# Altium PCB PCB1.PcbDoc (part 1 of 2) (continued)
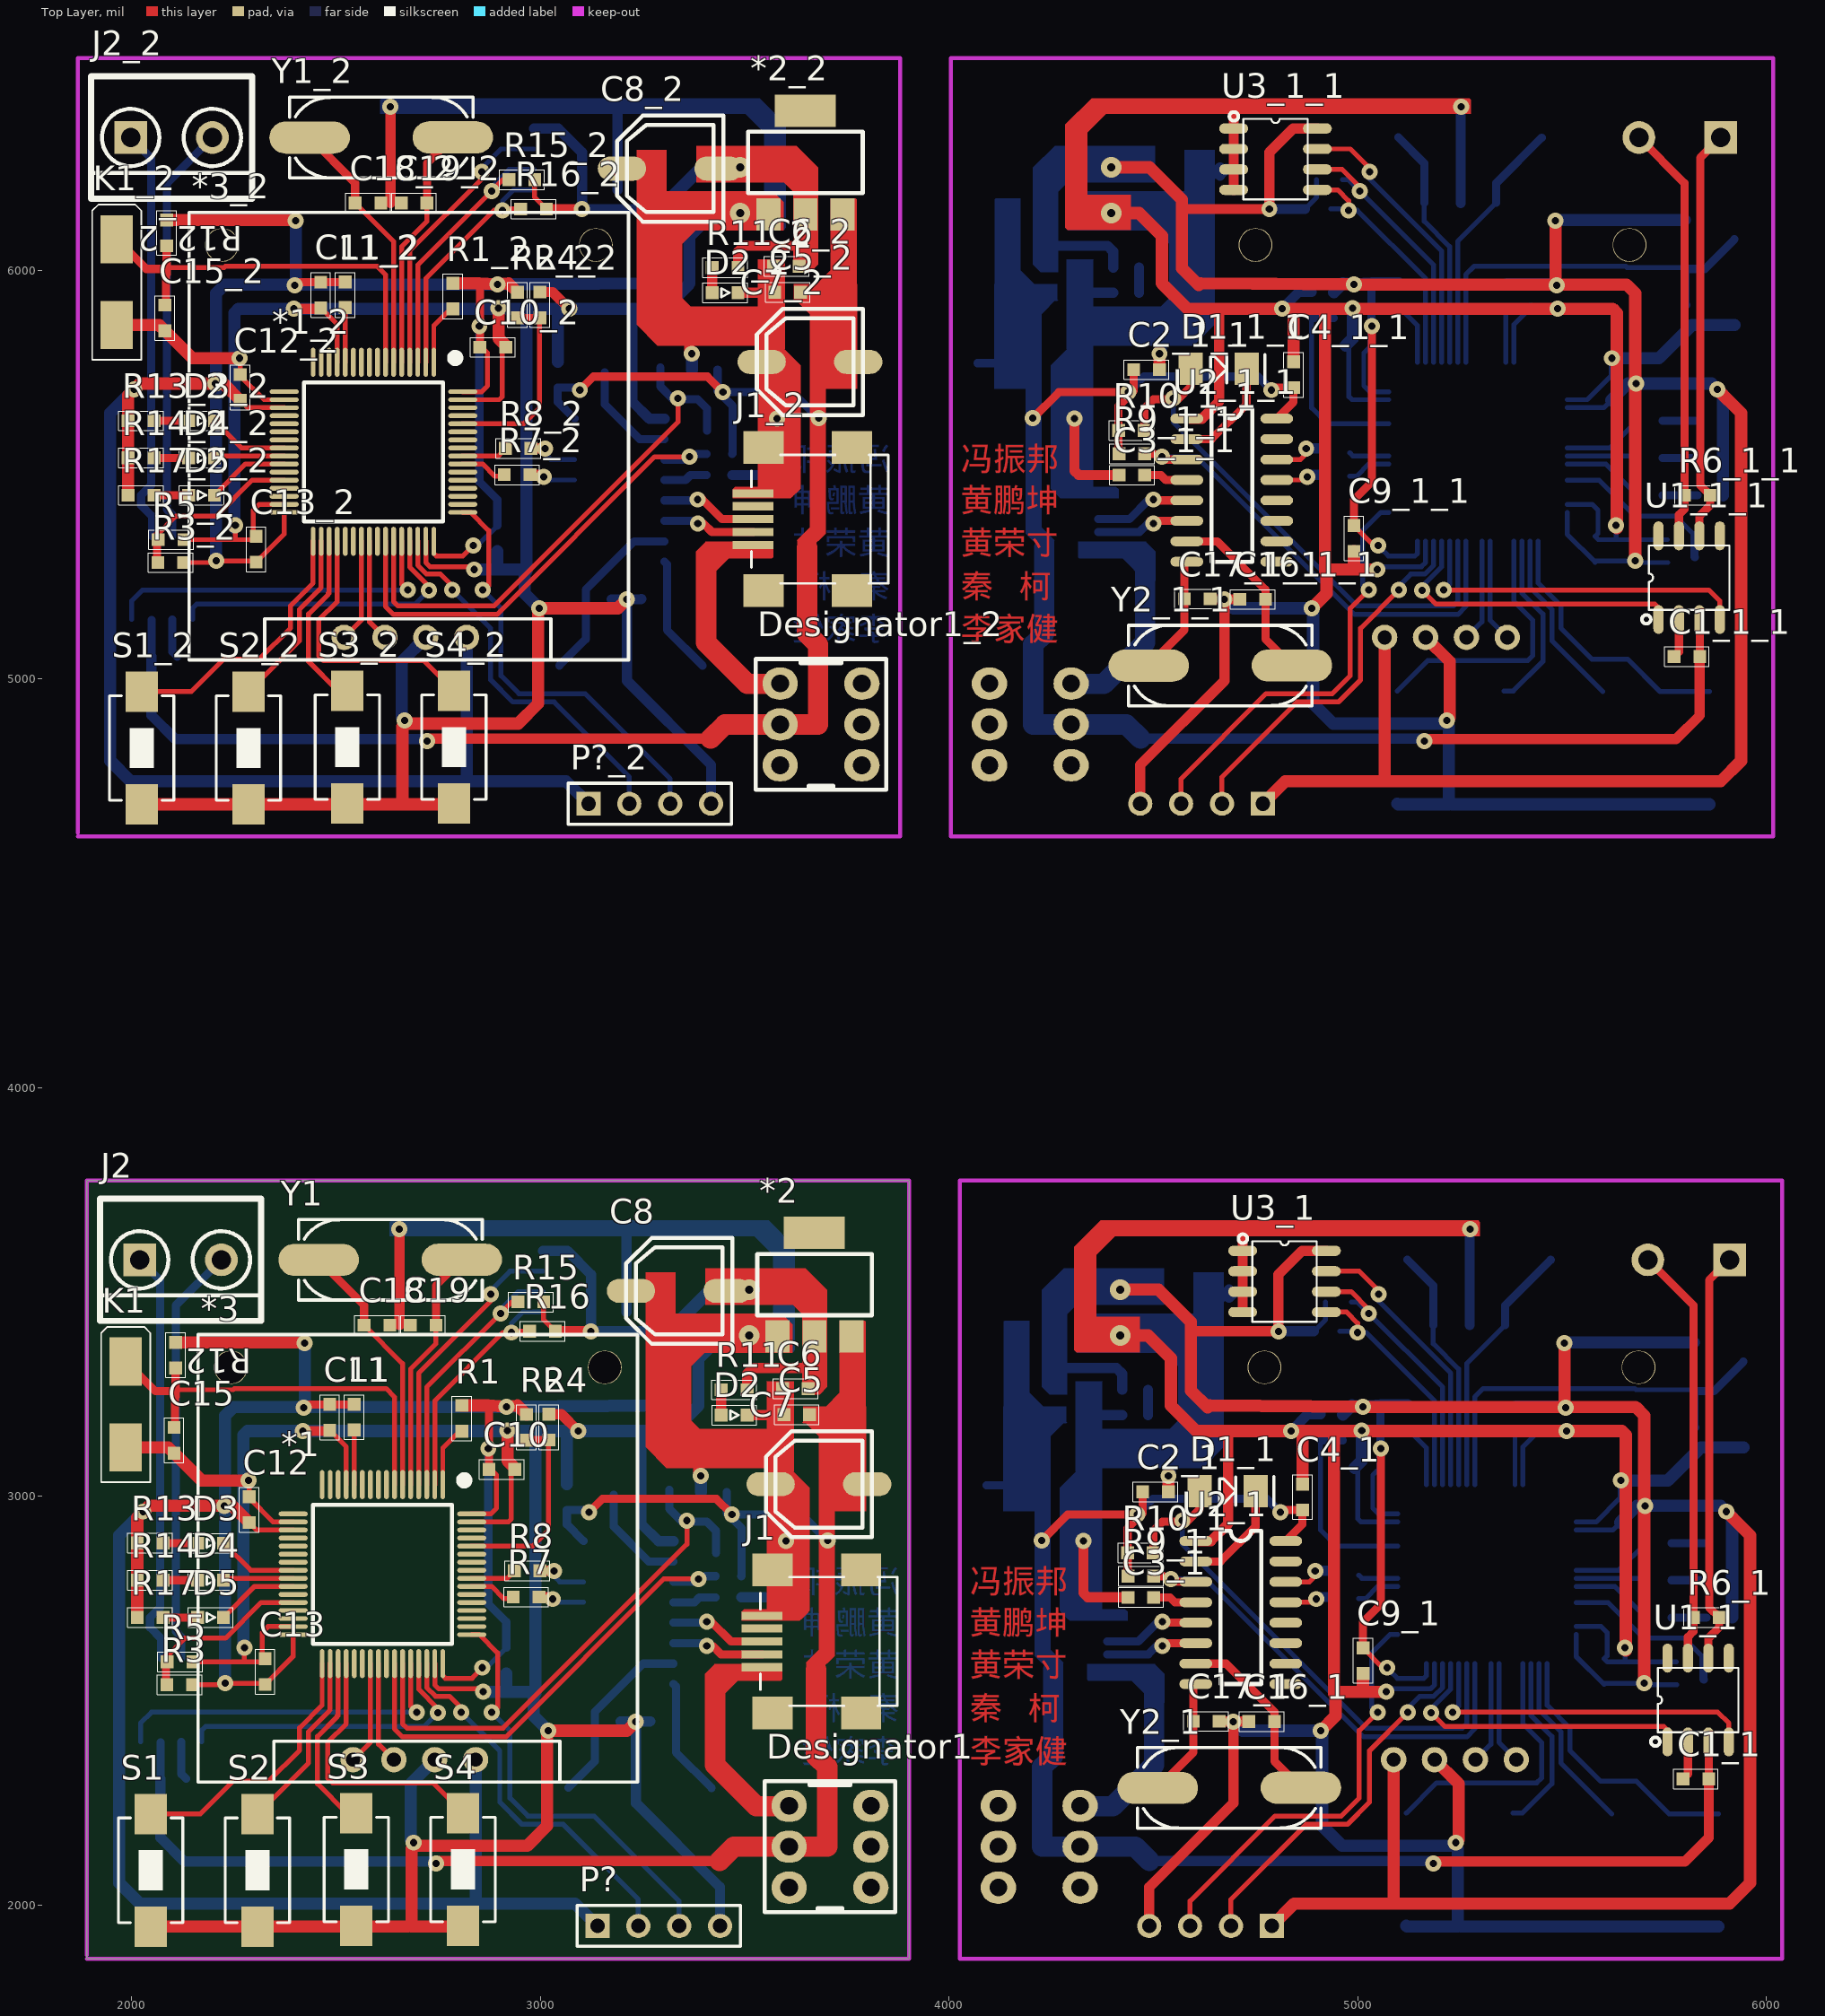
[diagram p0: Top Layer view]
## Components (designator, comment, footprint, x,y, rotation, side; value= is the part's Value field where it differs from the comment) (continued)
P?_2 "Header 4" HDR4X1-2.54 3118,4695 r0 top (schematic designator P?)
R1 "10k" R_0603 2808,3191 r270 top
R1_1 "10k" R_0603 5122,3191 r270 bottom (schematic designator R1)
R1_1_1 "10k" R_0603 5100,5937 r270 bottom (schematic designator R1)
R1_2 "10k" R_0603 2786,5937 r270 top (schematic designator R1)
R2 "RES" R_0603 2966.2,3169 r90 top
R2_1 "RES" R_0603 4963.8,3169 r90 bottom (schematic designator R2)
R2_1_1 "RES" R_0603 4941.8,5915 r90 bottom (schematic designator R2)
R2_2 "RES" R_0603 2944.2,5915 r90 top (schematic designator R2)
R3 "RES" R_0603 2118,2539 r0 top
R3_1 "RES" R_0603 5812,2539 r180 bottom (schematic designator R3)
R3_1_1 "RES" R_0603 5790,5285 r180 bottom (schematic designator R3)
R3_2 "RES" R_0603 2096,5285 r0 top (schematic designator R3)
R4 "RES" R_0603 3021,3169.5 r270 top
R4_1 "RES" R_0603 4909,3169.5 r270 bottom (schematic designator R4)
R4_1_1 "RES" R_0603 4887,5915.5 r270 bottom (schematic designator R4)
R4_2 "RES" R_0603 2999,5915.5 r270 top (schematic designator R4)
R5 "RES" R_0603 2119,2595 r180 top
R5_1 "RES" R_0603 5811,2595 r0 bottom (schematic designator R5)
R5_1_1 "RES" R_0603 5789,5341 r0 bottom (schematic designator R5)
R5_2 "RES" R_0603 2097,5341 r180 top (schematic designator R5)
R6 "120R" R_0603 2076.99,2703.7 r0 bottom
R6_1 "120R" R_0603 5853.01,2703.7 r180 top (schematic designator R6)
R6_1_1 "120R" R_0603 5831.01,5449.7 r180 top (schematic designator R6)
R6_2 "120R" R_0603 2054.99,5449.7 r0 bottom (schematic designator R6)
R7 "10k" R_0603 2965.5,2754 r0 top
R7_1 "10k" R_0603 4964.5,2754 r180 bottom (schematic designator R7)
R7_1_1 "10k" R_0603 4942.5,5500 r180 bottom (schematic designator R7)
R7_2 "10k" R_0603 2943.5,5500 r0 top (schematic designator R7)
R8 "10k" R_0603 2968,2818 r0 top
R8_1 "10k" R_0603 4962,2818 r180 bottom (schematic designator R8)
R8_1_1 "10k" R_0603 4940,5564 r180 bottom (schematic designator R8)
R8_2 "10k" R_0603 2946,5564 r0 top (schematic designator R8)
R9 "10k" R_0603 3460.5,2805 r180 bottom
R9_1 "10k" R_0603 4469.5,2805 r0 top (schematic designator R9)
R9_1_1 "10k" R_0603 4447.5,5551 r0 top (schematic designator R9)
R9_2 "10k" R_0603 3438.5,5551 r180 bottom (schematic designator R9)
R10 "10k" R_0603 3461.5,2862 r180 bottom
R10_1 "10k" R_0603 4468.5,2862 r0 top (schematic designator R10)
R10_1_1 "10k" R_0603 4446.5,5608 r0 top (schematic designator R10)
R10_2 "10k" R_0603 3439.5,5608 r180 bottom (schematic designator R10)
R11 "RES" R_0603 3474.5,3261 r0 top
R11_1 "RES" R_0603 4455.5,3261 r180 bottom (schematic designator R11)
R11_1_1 "RES" R_0603 4433.5,6007 r180 bottom (schematic designator R11)
R11_2 "RES" R_0603 3452.5,6007 r0 top (schematic designator R11)
R12 "10K" R_0603 2108,3345.5 r90 top
R12_1 "10K" R_0603 5822,3345.5 r90 bottom (schematic designator R12)
R12_1_1 "10K" R_0603 5800,6091.5 r90 bottom (schematic designator R12)
R12_2 "10K" R_0603 2086,6091.5 r90 top (schematic designator R12)
R13 "RES" R_0603 2045.5,2886 r180 top
R13_1 "RES" R_0603 5884.5,2886 r0 bottom (schematic designator R13)
R13_1_1 "RES" R_0603 5862.5,5632 r0 bottom (schematic designator R13)
R13_2 "RES" R_0603 2023.5,5632 r180 top (schematic designator R13)
R14 "RES" R_0603 2045.5,2795 r180 top
R14_1 "RES" R_0603 5884.5,2795 r0 bottom (schematic designator R14)
R14_1_1 "RES" R_0603 5862.5,5541 r0 bottom (schematic designator R14)
R14_2 "RES" R_0603 2023.5,5541 r180 top (schematic designator R14)
R15 "RES" R_0603 2977,3476 r0 top
R15_1 "RES" R_0603 4953,3476 r180 bottom (schematic designator R15)
R15_1_1 "RES" R_0603 4931,6222 r180 bottom (schematic designator R15)
R15_2 "RES" R_0603 2955,6222 r0 top (schematic designator R15)
R16 "RES" R_0603 3005.5,3404 r0 top
R16_1 "RES" R_0603 4924.5,3404 r180 bottom (schematic designator R16)
R16_1_1 "RES" R_0603 4902.5,6150 r180 bottom (schematic designator R16)
R16_2 "RES" R_0603 2983.5,6150 r0 top (schematic designator R16)
R17 "RES" R_0603 2045.5,2703.7 r180 top
R17_1 "RES" R_0603 5884.5,2703.7 r0 bottom (schematic designator R17)
R17_1_1 "RES" R_0603 5862.5,5449.7 r0 bottom (schematic designator R17)
R17_2 "RES" R_0603 2023.5,5449.7 r180 top (schematic designator R17)
S1 "SW-PB" SW_PB2_A1 2047,2083 r0 top
S1_1 "SW-PB" SW_PB2_A1 5883,2083 r180 bottom (schematic designator S1)
S1_1_1 "SW-PB" SW_PB2_A1 5861,4829 r180 bottom (schematic designator S1)
S1_2 "SW-PB" SW_PB2_A1 2025,4829 r0 top (schematic designator S1)
S2 "SW-PB" SW_PB2_A1 2308,2083 r0 top
S2_1 "SW-PB" SW_PB2_A1 5622,2083 r180 bottom (schematic designator S2)
S2_1_1 "SW-PB" SW_PB2_A1 5600,4829 r180 bottom (schematic designator S2)
S2_2 "SW-PB" SW_PB2_A1 2286,4829 r0 top (schematic designator S2)
S3 "SW-PB" SW_PB2_A1 2550,2085 r0 top
S3_1 "SW-PB" SW_PB2_A1 5380,2085 r180 bottom (schematic designator S3)
S3_1_1 "SW-PB" SW_PB2_A1 5358,4831 r180 bottom (schematic designator S3)
S3_2 "SW-PB" SW_PB2_A1 2528,4831 r0 top (schematic designator S3)
S4 "SW-PB" SW_PB2_A1 2811,2085 r0 top locked
S4_1 "SW-PB" SW_PB2_A1 5119,2085 r180 bottom locked (schematic designator S4)
S4_1_1 "SW-PB" SW_PB2_A1 5097,4831 r180 bottom locked (schematic designator S4)
S4_2 "SW-PB" SW_PB2_A1 2789,4831 r0 top locked (schematic designator S4)
U1 "TJA1050" SOP8 2097,2502 r90 bottom
U1_1 "TJA1050" SOP8 5833,2502 r90 top (schematic designator U1)
U1_1_1 "TJA1050" SOP8 5811,5248 r90 top (schematic designator U1)
U1_2 "TJA1050" SOP8 2075,5248 r90 bottom (schematic designator U1)
U2 "CH340G" SOP16 3216,2716 r180 bottom
U2_1 "CH340G" SOP16 4714,2716 r0 top (schematic designator U2)
U2_1_1 "CH340G" SOP16 4692,5462 r0 top (schematic designator U2)
U2_2 "CH340G" SOP16 3194,5462 r180 bottom (schematic designator U2)
U3 "AT24C02" SOP8 3109,3526 r180 bottom locked
U3_1 "AT24C02" SOP8 4821,3526 r0 top locked (schematic designator U3)
U3_1_1 "AT24C02" SOP8 4799,6272 r0 top locked (schematic designator U3)
U3_2 "AT24C02" SOP8 3087,6272 r180 bottom locked (schematic designator U3)
Y1 "XTAL" X-SM49 2633,3579 r0 top value=8M
Y1_1 "XTAL" X-SM49 5297,3579 r180 bottom value=8M (schematic designator Y1)
Y1_1_1 "XTAL" X-SM49 5275,6325 r180 bottom value=8M (schematic designator Y1)
Y1_2 "XTAL" X-SM49 2611,6325 r0 top value=8M (schematic designator Y1)
Y2 "XTAL" X-SM49 3244,2287 r0 bottom value=8M
Y2_1 "XTAL" X-SM49 4686,2287 r180 top value=8M (schematic designator Y2)
Y2_1_1 "XTAL" X-SM49 4664,5033 r180 top value=8M (schematic designator Y2)
Y2_2 "XTAL" X-SM49 3222,5033 r0 bottom value=8M (schematic designator Y2)

## Footprints (in the part's own frame and the unit in brackets; to place one, negate y for a bottom-side part, rotate by r counter-clockwise, add the part's x,y. Pads: shape width x height; smd on the part's side, far side on the other; paste and mask are expansions set on the pad)
C_0603 [mm]
  rect 0.8x0.8 smd: 1(-0.8,0) 2(0.8,0)
  silkscreen extent -1.38,-0.61 1.4,0.61, body extent -0.79,-0.38 0.81,0.42, height 0.5
CON_2PIN [mil]
  rect 80x80 hole 47.24: 1(100,0)
  round 80 hole 47.24: 2(-100,0)
  silkscreen extent -197,-150 197,150, body extent -190,-171 203,144, height 433
D-1206 [mm] "贴片二极管"
  rect 1.5x2 smd: 1(-1.702,0) 2(1.798,0)
  silkscreen extent -0.45,-0.89 2.92,0.89
EC_6.5X6.5 [mm]
  oval 1.5x3 smd: 1(0,3) 2(0,-3)
  silkscreen extent -3.3,-3.3 3.3,3.3, body extent -3.33,-3.38 3.27,3.22, height 6.35
HDR4X1-2.54 [mm] "2.54单排针排座"
  rect 1.5x1.5 hole 0.9: 1(0,0)
  round 1.5 hole 0.9: 2(2.54,0) 3(5.08,0) 4(7.62,0)
  silkscreen extent -1.27,-1.27 8.89,1.27
L-0603 [mm]
  rect 0.8x0.8 smd: 1(-0.8,0) 2(0.8,0)
  silkscreen extent -1.38,-0.61 1.4,0.61, body extent -0.79,-0.48 0.81,0.47, height 0.78
LED_0603 [mm]
  rect 0.8x0.8 smd: 1(-0.8,0) 2(0.8,0)
  silkscreen extent -1.38,-0.6 1.39,0.61, body extent -0.8,-0.4 0.82,0.4, height 0.6
LQFP64-10*10 [mm]
  oval 0.3x1.8 smd: 1(-3.75,-5.563) 2(-3.25,-5.563) 3(-2.75,-5.563) 4(-2.25,-5.563) 5(-1.75,-5.563) 6(-1.25,-5.563) 7(-0.75,-5.563) 8(-0.25,-5.563) 9(0.25,-5.563) 10(0.75,-5.563) 11(1.25,-5.563) 12(1.75,-5.563) 13(2.25,-5.563) 14(2.75,-5.563) 15(3.25,-5.563) 16(3.75,-5.563) 33(3.75,5.563) 34(3.25,5.563) 35(2.75,5.563) 36(2.25,5.563) 37(1.75,5.563) 38(1.25,5.563) 39(0.75,5.563) 40(0.25,5.563) 41(-0.25,5.563) 42(-0.75,5.563) 43(-1.25,5.563) 44(-1.75,5.563) 45(-2.25,5.563) 46(-2.75,5.563) 47(-3.25,5.563) 48(-3.75,5.563)
  oval 1.8x0.3 smd: 17(5.55,-3.737) 18(5.55,-3.237) 19(5.55,-2.737) 20(5.55,-2.237) 21(5.55,-1.737) 22(5.55,-1.237) 23(5.55,-0.737) 24(5.55,-0.237) 25(5.55,0.263) 26(5.55,0.763) 27(5.55,1.263) 28(5.55,1.763) 29(5.55,2.263) 30(5.55,2.763) 31(5.55,3.263) 32(5.55,3.763) 49(-5.55,3.763) 50(-5.55,3.263) 51(-5.55,2.763) 52(-5.55,2.263) 53(-5.55,1.763) 54(-5.55,1.263) 55(-5.55,0.763) 56(-5.55,0.263) 57(-5.55,-0.237) 58(-5.55,-0.737) 59(-5.55,-1.237) 60(-5.55,-1.737) 61(-5.55,-2.237) 62(-5.55,-2.737) 63(-5.55,-3.237) 64(-5.55,-3.737)
  silkscreen extent -5.33,-6.08 4.32,4.33, body extent -5.76,-5.78 5.82,5.8, height 1.02
OLED_7 [mil]
  round 82.68 hole 78.74: 0(-380,-915) 0(535,-915)
  round 62 hole 35: 3(-64,45) 4(36,45) 5(136,45) 6(236,45)
  silkscreen extent -460,-995 615,100, body extent -460,-992 615,100, height 118
R_0603 [mm]
  rect 0.8x0.8 smd: 1(-0.8,0) 2(0.8,0)
  silkscreen extent -1.38,-0.61 1.4,0.61, body extent -0.81,-0.42 0.83,0.43, height 0.46
SOP8 [mm]
  oval 1.8x0.635 smd: 1(-2.6,1.905) 2(-2.6,0.635) 3(-2.6,-0.635) 4(-2.6,-1.905) 5(2.6,-1.905) 6(2.6,-0.635) 7(2.6,0.635) 8(2.6,1.905)
  silkscreen extent -2.87,-2.5 2,2.94, body extent -3.07,-2.54 3.13,2.46, height 1.74
SOP16 [mil]
  oval 80x24 smd: 1(-110,175) 2(-110,125) 3(-110,75) 4(-110,25) 5(-110,-25) 6(-110,-75) 7(-110,-125) 8(-110,-175) 9(110,-175) 10(110,-125) 11(110,-75) 12(110,-25) 13(110,25) 14(110,75) 15(110,125) 16(110,175)
  silkscreen extent -50,-175 50,200, body extent -153,-200 159,202, height 71
SOT-223 [mil]
  rect 59x79 smd: 1(-90.55,-126.77) 2(0,-126.77) 3(90.55,-126.77)
  rect 150x79 smd: 2(-0.67,126.77)
  silkscreen extent -140,-75 140,75, body extent -126,-153 130,123, height 65
SW-6 [mm]
  oval 2.2x2 hole 1.1: 1(-2.54,2.54) 2(-2.54,0) 3(-2.54,-2.54) 4(2.54,2.54) 5(2.54,0) 6(2.54,-2.54)
  silkscreen extent -4.06,-4.06 4.06,4.06, body extent -3.38,-3.41 3.62,3.59, height 13
SW-PB4 [mm]
  rect 3x2 smd: 1(-2.667,0) 2(2.667,0)
  silkscreen extent -4.83,-1.52 4.83,1.52, body extent -4.94,-1.73 5.46,1.77, height 5
SW_PB2_A1 [mm]
  rect 2x2.5 smd: 1(0,3.556) 2(0,-3.444)
  silkscreen extent -2,-3.19 2,3.31, body extent -1.93,-3.94 1.92,3.95, height 2.5
USB-MINI [mm]
  rect 0.508x2.54 smd: 1(1.6,-3.075) 2(0.8,-3.075) 3(0,-3.075) 4(-0.8,-3.075) 5(-1.6,-3.075)
  rect 2.032x2.5 smd: 6(-4.45,-2.425) 7(-4.45,3.075) 8(4.45,3.075) 9(4.45,-2.425)
  silkscreen extent -4,-3.17 4,5.33, body extent -5.38,-3.61 5.32,5.59, height 3.95
X-SM49 [mm]
  oval 5x2 smd: 1(4.45,0.004) 2(-4.45,-0.004)
  silkscreen extent -5.7,-2.5 5.72,2.5, body extent -6.7,-2.46 6.7,2.44, height 4

## Part data
*3 *3_1 *3_1_1 *3_2: library part COM7-2.54
C1 C1_1 C1_1_1 C1_2 C2 C2_1 C2_1_1 C2_2 C3 C3_1 C3_1_1 C3_2 C4 C4_1 C4_1_1 C4_2 C15 C15_1 C15_1_1 C15_2 C16 C16_1 C16_1_1 C16_2 C17 C17_1 C17_1_1 C17_2 C18 C18_1 C18_1_1 C18_2 C19 C19_1 C19_1_1 C19_2: library part CAP
D1 D1_1 D1_1_1 D1_2: library part Diode-R, "整流二极管", PackageDocument=Sep-1996, LatestRevisionDate=17-Jul-2002, LatestRevisionNote="Re-released for DXP Platform.", PackageReference=SMC, Published=8-Jun-2000, Publisher="Altium Limited"
P? P?_1 P?_1_1 P?_2: "接插件", LatestRevisionDate=17-Jul-2002, LatestRevisionNote="Re-released for DXP Platform.", Publisher="Altium Limited"
R1 R1_1 R1_1_1 R1_2 R6 R6_1 R6_1_1 R6_2 R7 R7_1 R7_1_1 R7_2 R8 R8_1 R8_1_1 R8_2 R9 R9_1 R9_1_1 R9_2 R10 R10_1 R10_1_1 R10_2 R12 R12_1 R12_1_1 R12_2: library part RES
S1 S1_1 S1_1_1 S1_2 S2 S2_1 S2_1_1 S2_2 S3 S3_1 S3_1_1 S3_2 S4 S4_1 S4_1_1 S4_2: "微动开关", LatestRevisionDate=17-Jul-2002, LatestRevisionNote="Re-released for DXP Platform.", PackageReference=SPST-2, Published=24-Mar-1999, Publisher="Altium Limited"
Y1 Y1_1 Y1_1_1 Y1_2 Y2 Y2_1 Y2_1_1 Y2_2: "晶振", LatestRevisionDate=17-Jul-2002, LatestRevisionNote="Re-released for DXP Platform.", PackageReference=R38, Published=8-Jun-2000, Publisher="Altium Limited"
C7 C7_1 C7_1_1 C7_2 C8 C8_1 C8_1_1 C8_2: PCB DECAL=EC_47UF_6.5X6.5
D2 D2_1 D2_1_1 D2_2 D3 D3_1 D3_1_1 D3_2 D4 D4_1 D4_1_1 D4_2 D5 D5_1 D5_1_1 D5_2: PCB DECAL=LED_0603
J1 J1_1 J1_1_1 J1_2: PCB DECAL=USB-MINI
J2 J2_1 J2_1_1 J2_2: PCB DECAL=CON_2PIN
U1 U1_1 U1_1_1 U1_2 U3 U3_1 U3_1_1 U3_2: PCB DECAL=SOP8
U2 U2_1 U2_1_1 U2_2: PCB DECAL=SOP16

## Via types
v1: diameter 39.37, hole 17.72, Top Layer to Bottom Layer, 152 vias
v2: diameter 50, hole 19.68, Top Layer to Bottom Layer, 8 vias

## Nets (pads, with @x,y where several pads share a name; then routed paths per layer and width w, separated by ;. In a path a pad name is that pad's centre, name@x,y a point inside that pad or via, vN(x,y) a via of type N, cw(c..) or ccw(c..) an arc to the next point about the centre after c; other vN are vias at no path point)
3.3V: *1.19 *1.32 *1.48 *1.64 *2.2 *3.3 C6.2 C8.2 C9.2 C10.2 C11.2 C12.2 C13.2 L1.1 P?.1 R1.1 R2.2 R3.2 R11.2 R12.2 R13.2 R14.2 R15.2 R16.2 R17.2 U3.8 | length 8769.4
  Top Layer w12: R3.2@2149.5,2539 2225,2539 v1(2229,2543) 2324.01,2543 C13.2@2327,2540.01 2395.5,2608.5 *1.32@2395.5,2661.86 ; C12.2@2288,2936 2306.23,2917.77 *1.19@2395.5,2917.77 ; L1.1@2544.5,3225 L1.1@2545.2,3225.7 ; *1.48@2761.64,2591 2761.64,2561.36 2768,2555 2833,2555 v1@2852,2574 ; *1.64@2832.5,2957.14 2878.64,2957.14 2893,2971.5 2893,3052 C10.2@2883,3062 ; R15.2@3008.5,3476 3008.5,3432.5 R16.2@3037,3404
  Top Layer w20: 2104,2977 2105,2978 ; v1(2421,3217) 2429,3225 C11.2@2485,3225 L1.1@2544.5,3225 ; 2872,3222.5 2874.5,3219.99 C10.2@2874.5,3070
  Top Layer w25: R16.2@3037,3404 v1(3124,3404) ; C8.2@3449.11,3502 3640,3502 3671,3471 *2.2@3671,3391.23 3656,3376.23 3656,3315 ; R11.2@3506,3261 3506,3300 3520,3314 3655,3314 3656,3315 ; C6.2@3656,3264 3656,3315
  Top Layer w30: R17.2@2014,2703.7 R14.2@2014,2795 R13.2@2014,2886 2014,2949 v1(2028,2963) 2042,2977 2104,2977 v1(2227,2977) 2247,2977 C12.2@2288,2936 ; R12.2@2108,3377 2422,3377 v1(2424,3375) ; R1.1@2808,3222.5 2872,3222.5 v1(2917.5,3219.5) 2944.2,3222.5 R2.2@2966.2,3200.5
  Bottom Layer w12: v1(2858,2581) 2868.5,2581 C9.2@2917,2629.5
  Bottom Layer w20: v1(2873,3117) 2873,2737 2917,2693 C9.2@2917,2629.5
  Bottom Layer w25: U3.8@3006.64,3601 3066,3601 3124,3543 v1(3124,3404) 3336,3404 3338,3406
  Bottom Layer w30: v1(2028,2963) 1970,2905 1970,2054 2020,2004 2842,2004 ; v1(2229,2543) 2229,3198 2250.02,3219.02 2250.37,3218.96 2421,3219.1 v1@2423.1,3219.1 ; v1(2421,3217) v1@2423.1,3219.1 ; v1(2424,3375) 2424,3220 v1@2423.1,3219.1 ; *3.3@2842,2356 2842,2004 ; P?.1@3140,1949 3085,2004 2842,2004 ; v2(3511,3506) 3417,3506 3338,3427 3338,3406 3338,3259 3297,3218 3292.5,3222.5 v1(2917.5,3219.5) v1@2423.1,3219.1
5V: *2.3 C1.1 C2.2 C4.1 C5.2 C7.2 Designator1.1 Designator1.2 J1.1 R9.1 R10.1 U1.3 U2.16 | length 4787.3
  Top Layer w20: v1(3119,2961) 3152,2994 3431,2994 v1(3469,2956) ; 3428,2526 3428,2572 3582,2572 ; C5.2@3659,3200 3664.45,3205.45 3761.55,3205.45 *2.3@3761.55,3391.23 ; 3702,2631 3702,2982 3747,3027 C7.2@3838.11,3027 ; 3767,3200 3786,3200
  Top Layer w25: v1@2745,2108 3342,2108 3439,2108 ; Designator1.1@3609,2242 Designator1.1@3617,2242 ; 3668.8,2582.2 3675,2576
  Top Layer w50: 3428,2526 3428,2343 3529,2242 Designator1.1@3609,2242 ; 3439,2108 3474,2143 Designator1.2@3609,2143 3702,2143 3702,2338 3675,2365 3675,2576
  Bottom Layer w10: U1.3@2071.01,2398.65 U1.3@2072,2399.64
  Bottom Layer w20: C1.1@2071.01,2309 U1.3@2071.01,2398.65 ; C4.1@3065,2965 3065,2932 U2.16@3106,2891 ; C4.1@3065,2967.01 v1@3110.99,2967.01 ; C2.2@3456,3011 3456,2959 3493,2922 R10.1@3493,2862 3493,2806 R9.1@3492,2805 ; v1(3469,2956) 3639,2956 v1(3703,2892)
  Bottom Layer w25: C1.1@2071.01,2309 2071.01,2164.99 2129,2107 v1@2747,2107
  other v1: 2745,2102
24C02_SCL: *1.3 R15.1 U3.6 | length 679.4
  Top Layer w12: *1.3@2722.27,3029 2722.27,3267.27 v1(2903,3448) 2931,3476 R15.1@2945.5,3476
  Bottom Layer w12: v1(2903,3448) 2903,3458 2946,3501 U3.6@3006.64,3501
24C02_SDA: *1.2 R16.1 U3.5 | length 618.3
  Top Layer w12: *1.2@2741.95,3029 2741.95,3233.95 2909,3401 v1(2930,3401) 2933,3404 R16.1@2974.01,3404
  Bottom Layer w12: v1(2930,3401) 2930,3424 2957,3451 U3.5@3006.64,3451
24C02_WP: *1.4 U3.7 | length 692.5
  Top Layer w12: *1.4@2702.58,3029 2702.58,3301.58 2879,3478 v1(2879,3495)
  Bottom Layer w12: v1@2874.5,3499.5 2926,3551 U3.7@3006.64,3551
BOOT0: *1.60 R2.1 R4.2 | length 478.5
  Top Layer w12: *1.60@2832.5,2878.4 2981.4,2878.4 3020.5,2917.5 R4.2@3020.5,3137.5
  Top Layer w20: R2.1@2966.2,3137.5 R4.2@3020.5,3137.5
BOOT1: *1.28 R3.1 R5.2 | length 421.7
  Top Layer w12: R5.2@2084.01,2606 2131.01,2653 2230,2653 2317.6,2740.6 *1.28@2395.5,2740.6
  Top Layer w20: R3.1@2083.01,2552 2084.01,2553 R5.2@2084.01,2606
CAN_RX: *1.44 U1.4 | length 858.4
  Top Layer w12: *1.44@2682.9,2591 2682.9,2486.1 2697,2472 v1(2698,2472)
  Bottom Layer w12: U1.4@2022,2399.64 2022,2445 2049,2472 v1(2698,2472)
CAN_TX: *1.45 U1.1 | length 763.8
  Top Layer w12: *1.45@2702.58,2591 2702.58,2528.42 2750,2481 v1(2750,2471)
  Bottom Layer w12: U1.1@2172,2399.64 2172,2428 2181,2437 2716,2437 v1(2750,2471)
CH340_DTR: *1.55 R7.1 | length 107.9
  Top Layer w12: *1.55@2832.5,2779.97 2881.03,2779.97 2911,2750 R7.1@2928,2750
CH340_RTS: *1.56 R8.1 | length 98.2
  Top Layer w12: *1.56@2832.5,2799.66 2919.66,2799.66 R8.1@2927.44,2807.44
D+: J1.3 U2.5 | length 246.5
  Top Layer w20: v1(3407.5,2693.3) 3418.72,2693.3 3466.83,2645.2 J1.3@3542.87,2645.2
  Bottom Layer w0: U2.5@3326,2691 U2.5@3326.6,2690.4
  Bottom Layer w20: U2.5@3326,2691 v1@3416.4,2691
D-: J1.2 U2.6 | length 242.8
  Top Layer w20: v1(3407.6,2634.4) 3421.5,2634.4 3442.2,2613.7 J1.2@3542.87,2613.7
  Bottom Layer w20: U2.6@3326,2641 3414.9,2641 3408.3,2634.4 v1(3407.6,2634.4)
GND: *1.13 *1.18 *1.31 *1.47 *1.63 *2.1 *3.4 C2.1 C3.1 C4.2 C5.1 C6.1 C7.1 C8.1 C9.1 C10.1 C11.1 C12.1 C13.1 C15.2 C16.1 C17.1 C18.2 C19.2 D2.2 J1.5 J1.6 K1.2 P?.4 R4.1 R5.1 S1.2 S2.2 S3.2 S4.2 U1.8 U2.1 U3.1 U3.2 U3.3 U3.4 | length 10383.6
  Top Layer w12: R5.1@2150.5,2595 2319,2595 C13.1@2327,2603 2320,2610 2320,2667 2334.55,2681.55 *1.31@2395.5,2681.55 ; 2276,2601 v1(2276,2630) ; v1(2286,3039) 2288,3037 C12.1@2288,2998.99 2288,2996 2346.55,2937.45 *1.18@2395.5,2937.45 ; C11.1@2485,3162.01 2525.42,3121.59 *1.13@2525.42,3029 ; *1.47@2741.95,2591 2741.95,2539.05 2752,2529 v1@2849,2529 ; *1.63@2832.5,2937.45 2921.95,2937.45 2929.5,2945 C10.1@2929.5,3069
  Top Layer w25: v1(2419,3160) 2482.99,3160 C11.1@2485,3162.01 ; v1(2655,3654) 2656,3653 2656,3419 ; R4.1@3021,3200.99 3052.01,3200.99 v1(3093,3160) ; C8.1@3212.89,3502 3229,3502 C8.1@3245,3486 ; C8.1@3245,3506 3294,3457 3294,3391.23 ; v1(3393,3050) 3387,3056 3387,3104 ; D2.2@3506,3199 3595.01,3199 C5.1@3596.01,3200 ; J1.5@3542.87,2708.19 3630.19,2708.19 3647,2725 3647,2981.89 C7.1@3601.89,3027 ; J1.6@3568.46,2820.39 3601.89,2853.82 v1@3601.89,2891.99 ; *2.1@3580.45,3391.23 3330,3391.23 ; C6.1@3593.01,3264 3593.01,3203 C5.1@3596.01,3200 ; v1(3600.9,2891) v1@3601.89,2891.99 ; v1@3613.6,2903.7 v1@3601.89,2891.99 ; 3294,3391.23 3294,3391 3293.77,3391.23 3294,3391.23 ; 3294,3391.23 3330,3391.23 ; 3330,3391.23 3330,3161 3387,3104 ; 3387,3104 3601.89,3104 ; C5.1@3596.01,3200 3601.89,3194.12 3601.89,3104 ; v1@3601.89,2891.99 C7.1@3601.89,3027 ; C7.1@3601.89,3027 3601.89,3104
  Top Layer w30: K1.2@1986,3120 2090,3120 C15.2@2104,3106 2171,3039 v1(2286,3039) ; S1.2@2047,1947.41 S2.2@2308,1947.41 2676,1947.41 ; S4.2@2811,1949.41 2809,1947.41 2685,1947.41 2685,2138 2692,2145 2968,2145 3017,2194 3017,2424 v1(3020,2427) 3212,2427 v1(3234,2449) ; v1(2920,3161) 2920,3087.5 C10.1@2937.5,3070
  Bottom Layer w25: C16.1@3196.5,2449 v1(3234,2449) ; U3.4@3211.36,3451 U3.3@3211.36,3501 U3.2@3211.36,3551 U3.1@3211.36,3601 3211.36,3652.36 ; 3249,3160 3247,3158 3247,2933 3289,2891 U2.1@3326,2891 ; C17.1@3269.01,2450 3268.01,2449 v1(3234,2449) ; P?.4@3440,1949 3440,2044 3234,2250 v1(3234,2449) ; C3.1@3491.99,2753 3590.2,2753 3600.9,2763.7 v1(3600.9,2891)
  Bottom Layer w30: v1@2274,2623 2274,3150 2284,3160 v1(2419,3160) 2988,3160 ; v1@2689,2152 v1(2690,2153) 2683,2160 2683,2297 *3.4@2742,2356 ; v1(2860,2522) 2916,2522 ; C9.1@2917,2566.5 2917,2523 2916,2522 ; v1(3020,2427) 2984,2463 2984,2522 ; C4.2@3065,3030 3065,3154 3071,3160 ; C2.1@3393.01,3011 v1(3393,3050) ; v2(3511,3394) 3443,3394 3387,3338 3387,3222 3325,3160 3249,3160 v1(3093,3160) 3071,3160 ; 2916,2522 2984,2522 ; 2984,2522 2988,2518 2988,3160 ; 2988,3160 3071,3160
KEY1: *1.33 S1.1 | length 663.5
  Top Layer w12: S1.1@2047,2223 2168,2223 2248,2303 2335,2303 2411,2379 2411,2433.54 2466.36,2488.9 *1.33@2466.36,2591
KEY2: *1.34 S2.1 | length 437.9
  Top Layer w12: S2.1@2308,2223 2433,2348 2433,2424.43 2483.73,2475.16 ; 2486.05,2478.05 *1.34@2486.05,2591
KEY3: *1.35 S3.1 | length 438.9
  Top Layer w12: 2503.42,2463.73 2503.42,2461.42 2455,2413 2455,2297 2527,2225 S3.1@2550,2225 ; 2505.73,2463.73 *1.35@2505.73,2591
KEY4: *1.36 S4.1 | length 665.4
  Top Layer w12: *1.36@2525.42,2591 2525.42,2443.42 2480,2398 2480,2311 2492,2299 2737,2299 S4.1@2811,2225
LED1: *1.24 D3.2 | length 198
  Top Layer w12: D3.2@2224.99,2885.8 2291.45,2819.34 *1.24@2395.5,2819.34
LED2: *1.25 D4.2 | length 172.5
  Top Layer w12: D4.2@2224.99,2794.8 2229.85,2799.66 *1.25@2395.5,2799.66
LED3: *1.26 D5.2 | length 202.1
  Top Layer w12: D5.2@2224.99,2703.8 2301.16,2779.97 *1.26@2395.5,2779.97
Net*1_1: *1.1 R1.2 | length 143.9
  Top Layer w12: *1.1@2761.64,3029 2761.64,3118.64 R1.2@2800,3157
Net*1_12: *1.12 L1.2 | length 133.7
  Top Layer w12: *1.12@2545.1,3029 2545.1,3162.61 L1.2@2545.2,3162.7
NetC1_2: C1.2 U1.2 | length 95.6
  Bottom Layer w20: U1.2@2122,2399.64 2122,2321 C1.2@2134,2309
NetC3_2: C3.2 U2.4 | length 108
  Bottom Layer w20: U2.4@3326,2741 3377.5,2741 3389.5,2753 C3.2@3429,2753
NetC16_2: C16.2 U2.7 Y2.2 | length 453.8
  Bottom Layer w20: Y2.2@3068.8,2287.17 3133.5,2351.87 C16.2@3133.5,2449 3133.5,2472.6 3251.9,2591 U2.7@3326,2591
NetC17_2: C17.2 U2.8 Y2.1 | length 292.8
  Bottom Layer w20: U2.8@3326,2541 3332,2535 C17.2@3332,2450 3332,2374.03 Y2.1@3419.2,2286.83
NetD1_2: D1.2 U2.2 | length 259
  Bottom Layer w20: D1.2@3180,3004 3180,2926.3 3265.3,2841 U2.2@3326,2841
NetD2_1: D2.1 R11.1 | length 62
  Top Layer w25: D2.1@3443.01,3199 R11.1@3443.01,3261
NetD3_1: D3.1 R13.1 | length 85.1
  Top Layer w20: R13.1@2076.99,2886 2161.8,2886 D3.1@2162,2885.8
NetD4_1: D4.1 R14.1 | length 85.1
  Top Layer w20: R14.1@2076.99,2795 2161.8,2795 D4.1@2162,2794.8
NetD5_1: D5.1 R17.1 | length 85
  Top Layer w20: R17.1@2076.99,2703.7 2161.9,2703.7 D5.1@2162,2703.8
NetJ2_1: J2.1 R6.1 U1.6 | length 1016.5
  Bottom Layer w20: J2.1@2020,3579 2070,3529 2070,2728.2 R6.1@2045.5,2703.7 2045.5,2679.5 2072,2653 U1.6@2072,2604.36
NetJ2_2: J2.2 R6.2 U1.7 | length 1026.4
  Bottom Layer w20: U1.7@2122,2604.36 2122,2656 2108.49,2669.51 R6.2@2108.49,2703.7 2108.49,3467.49 J2.2@2220,3579
NetR7_2: R7.2 U2.13 | length 109.1
  Top Layer w25: R7.2@2997,2754 3026,2754 v1(3031,2749)
  Bottom Layer w12: v1@3033,2741 U2.13@3106,2741
NetR8_2: R8.2 U2.14 | length 106.6
  Top Layer w25: R8.2@2999.5,2818 v1(3034,2818)
  Bottom Layer w12: v1@3038,2801 3048,2791 U2.14@3106,2791
NRST: *1.7 C15.1 K1.1 R12.1 | length 1063.9
  Top Layer w12: 2114,3261 2249,3261 2252,3264 2623,3264 2643.53,3243.47 *1.7@2643.53,3029
  Top Layer w20: K1.1@1986,3330 2058.5,3257.5 2106,3257.5 2106,3244 ; C15.1@2104,3168.99 2106,3170.99 2106,3244 ; R12.1@2108,3314.01 2108,3246 2106,3244
OLED_SCL: *1.39 *3.6 | length 252.6
  Top Layer w12: *3.6@2542,2356 2584.47,2398.47 *1.39@2584.47,2591
OlED_SDA: *1.40 *3.5 | length 250.7
  Top Layer w12: *1.40@2604.16,2591 2604.16,2393.84 *3.5@2642,2356
OSCIN: *1.5 C19.1 Y1.1 | length 602.1
  Top Layer w12: *1.5@2682.9,3029 2682.9,3311.9 2745,3374 C19.1@2745,3419
  Top Layer w20: C19.1@2745,3419 2745,3515.97 Y1.1@2808.2,3579.17
OSCOUT: *1.6 C18.1 Y1.2 | length 634.9
  Top Layer w12: C18.1@2569.01,3419 2663.21,3324.8 *1.6@2663.21,3029
  Top Layer w20: Y1.2@2457.8,3578.83 2569.01,3467.63 C18.1@2569.01,3419
RXD: *1.42 R9.2 U2.3 | length 1159.8
  Top Layer w12: *1.42@2643.53,2591 2643.53,2431.47 2663,2412 2916,2412 3302,2798 v1(3387,2798)
  Bottom Layer w20: U2.3@3326,2791 v1@3391,2791 ; v1@3405.2,2805 R9.2@3429.01,2805
SWCLK: *1.49 P?.3 | length 1045.3
  Top Layer w12: *1.49@2832.5,2661.86 2851.14,2661.86 2896,2617 2896,2483 2883,2470 v1(2881,2472)
  Bottom Layer w12: v1(2881,2472) 2926,2427 2926,2262 2970,2218 3132,2218 3340,2010 P?.3@3340,1949
SWDIO: *1.46 P?.2 | length 944.6
  Top Layer w12: *1.46@2722.27,2591 2722.27,2532.73 2744,2511 2778,2511 v1@2820.5,2468.5
  Bottom Layer w12: v1(2807,2472) 2901,2378 2901,2252 2955,2198 3056,2198 3240,2014 P?.2@3240,1949
TXD: *1.43 D1.1 R10.2 | length 1316.7
  Top Layer w12: *1.43@2663.21,2591 2663.21,2443.79 2674,2433 2909,2433 3359,2883 v1(3359,2941)
  Bottom Layer w20: D1.1@3316,3016 3316,2970 v1@3347.6,2938.4 ; v1@3359,2938.4 3407.4,2938.4 3430.01,2915.79 R10.2@3430.01,2862